# Altium PCB DRS4-PCB.PcbDoc (part 11 of 15)
Units mil, origin at the board's own origin, x right, y up, seen from the top; angles counter-clockwise.
Board outline 12350 x 7411.06 mil, 12 copper layers (Top Layer, Ground Layer 2, Signal Layer 3, Signal Layer 4, Ground Layer 5, Power Layer 6, Ground Layer 7, Ground Layer 8, Power Layer 9, Power Layer 10, Ground Layer 11, Bottom Layer), stack 61.6 mil thick; 1264 components, 1069 nets, 3958 pads, 2329 vias.
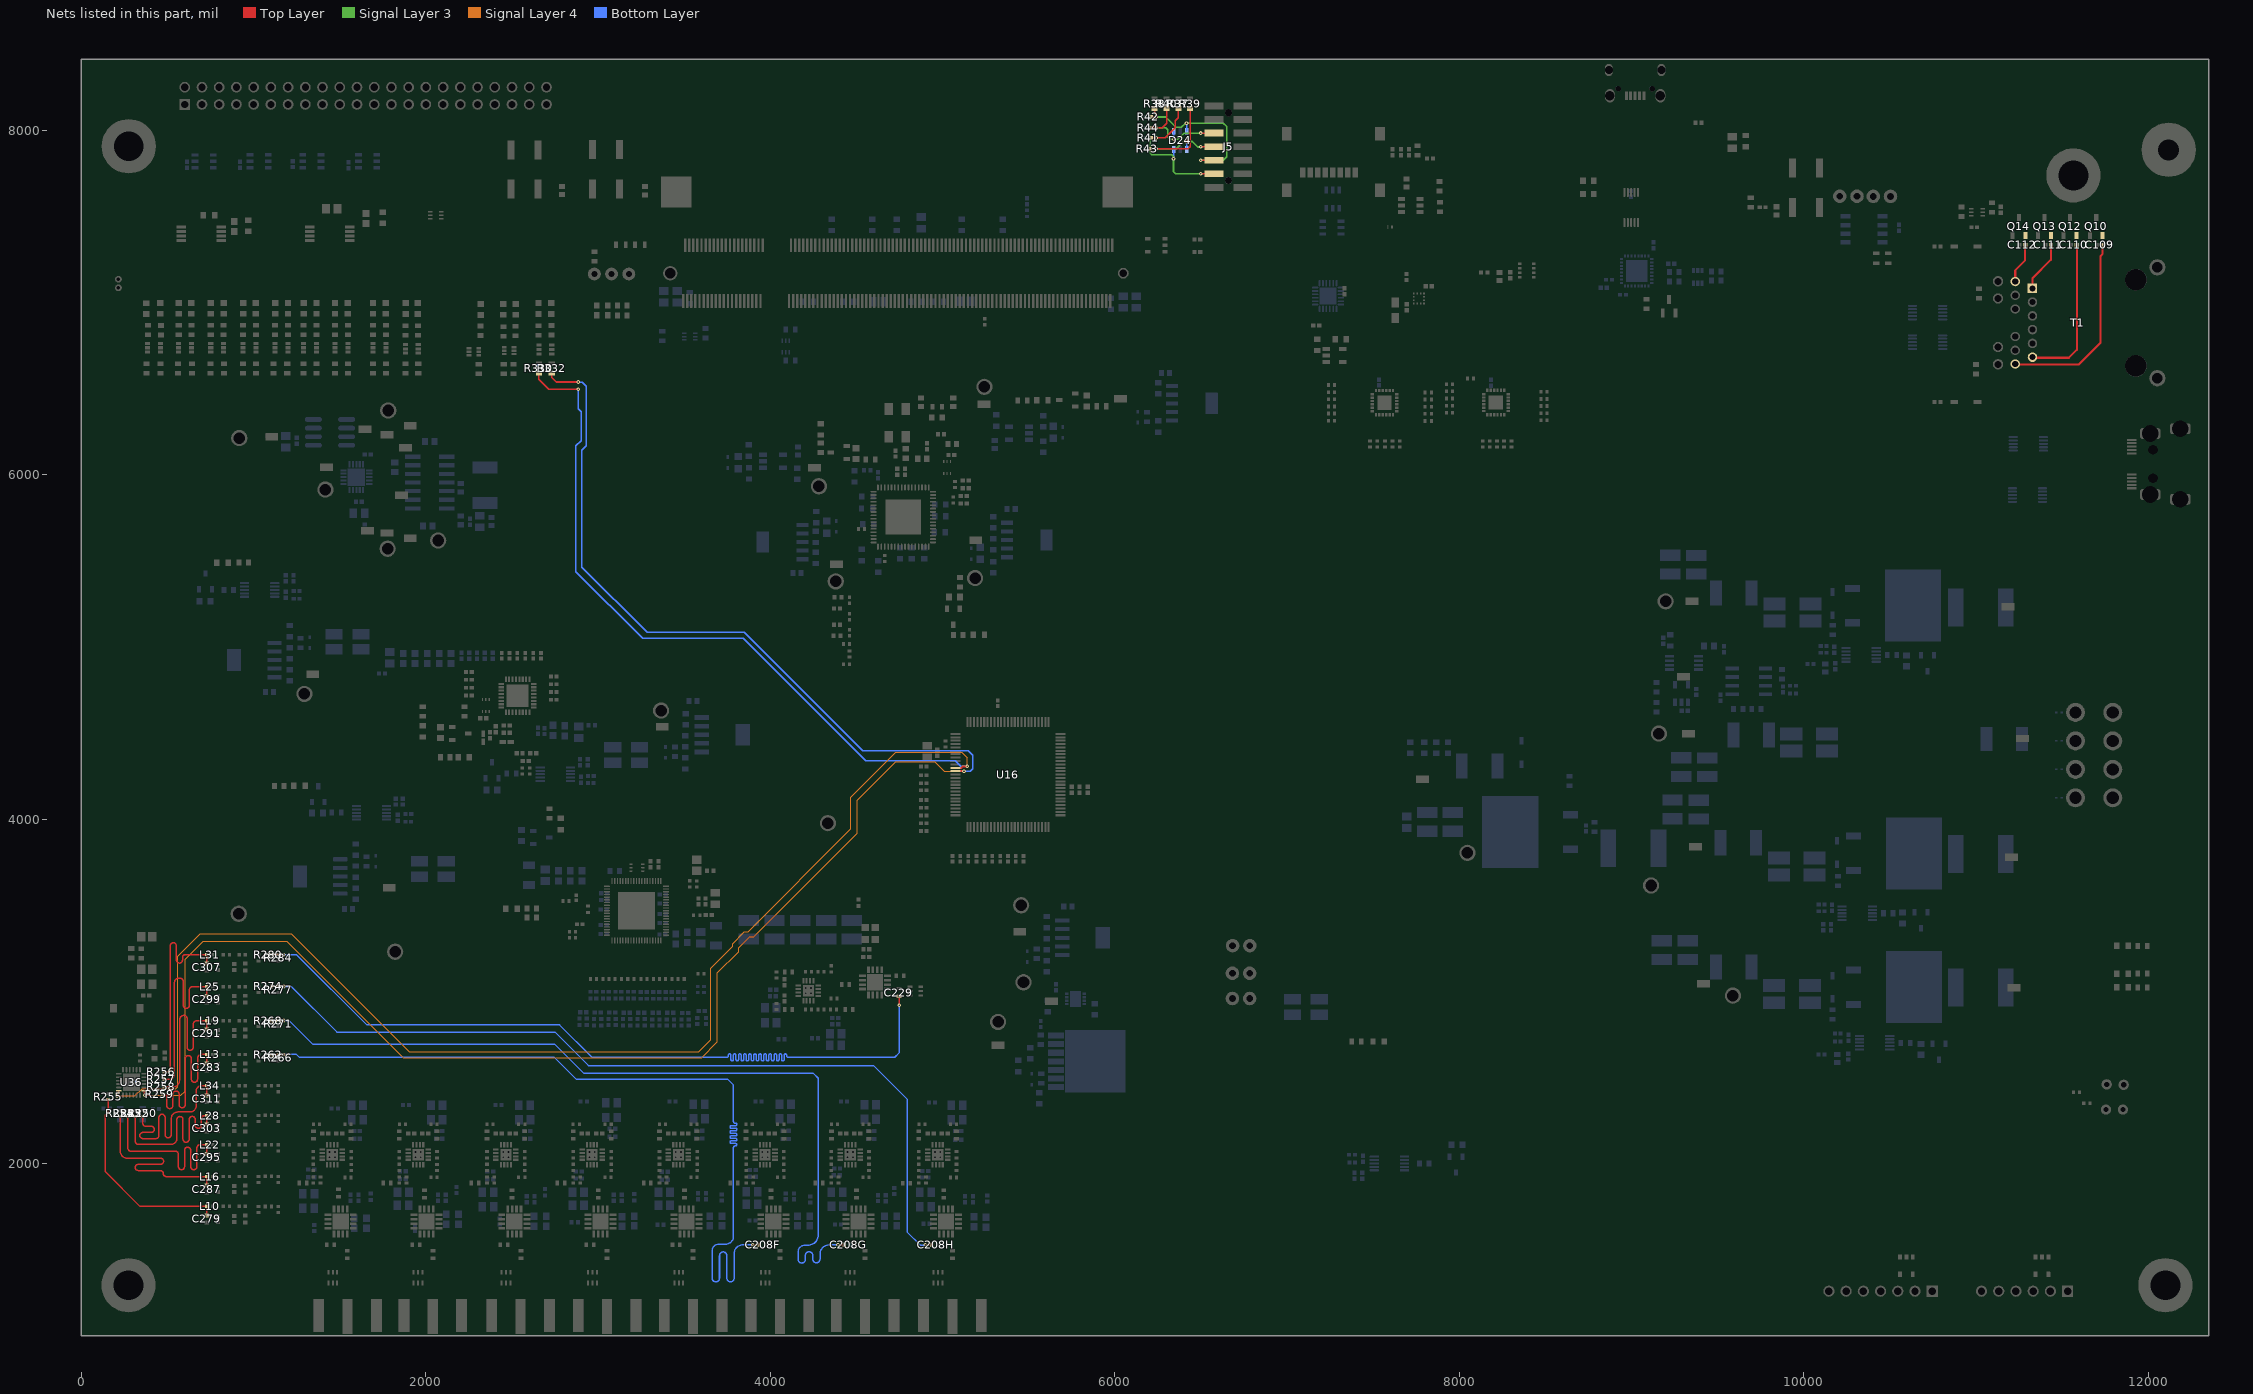
[diagram p21: the nets of this part, all layers, seen from the top]

## Via types
v1: diameter 21.65, hole 10, Top Layer to Bottom Layer, 2294 vias
v2: diameter 25, hole 15, Top Layer to Bottom Layer, 16 vias
v3: diameter 19, hole 8, Top Layer to Bottom Layer, 12 vias
v4: diameter 40, hole 28, Top Layer to Bottom Layer, 3 vias
v5: diameter 30, hole 20, Top Layer to Bottom Layer, 2 vias
v6: diameter 27.56, hole 10, Top Layer to Bottom Layer, 1 vias
v7: diameter 18, hole 10, Top Layer to Bottom Layer, 1 vias

## Nets (pads, with @x,y where several pads share a name; then routed paths per layer and width w, separated by ;. In a path a pad name is that pad's centre, name@x,y a point inside that pad or via, vN(x,y) a via of type N, cw(c..) or ccw(c..) an arc to the next point about the centre after c; other vN are vias at no path point) (continued)
TC_5: C208F.2 R262.2 R266.2 | length 5037.5
  Top Layer w8.72: R262.2@1102.78,2632.42 R266.2@1142.58,2632.42 v1(1175.1,2632.42)
  Top Layer w9.5: v1(3897.6,1529.48) C208F.2@3933.82,1529.48
  Bottom Layer w8.72: v1@1177.58,2636.51 1246.52,2636.51 1266.38,2616.65 2746.27,2616.65 2873.69,2489.23 3753.83,2489.23 3785.67,2457.39 3785.67,2427.99 3785.67,2248.64 3785.67,2244.28 ccw(c3794.39,2244.28) 3794.39,2235.56 3798.31,2235.56 cw(c3798.31,2228.2) 3798.31,2220.84 3773.03,2220.84 ccw(c3773.03,2213.48) 3773.03,2206.12 3798.31,2206.12 cw(c3798.31,2198.76) 3798.31,2191.4 3773.03,2191.4 ccw(c3773.03,2184.04) 3773.03,2176.68 3798.31,2176.68 cw(c3798.31,2169.32) 3798.31,2161.96 3773.03,2161.96 ccw(c3773.03,2154.6) 3773.03,2147.24 3798.31,2147.24 cw(c3798.31,2139.88) 3798.31,2132.52 3773.03,2132.52 ccw(c3773.03,2125.16) 3773.03,2117.8 3797.29,2117.8 cw(c3797.29,2110.44) 3797.29,2103.08 3794.39,2103.08 ccw(c3794.39,2094.36) 3785.67,2094.36 3785.67,2071.44 3785.67,1953.64 3785.67,1578.51 cw(c3739.77,1578.51) 3739.77,1532.61 3699.88,1532.61 ccw(c3699.88,1494.71) 3661.98,1494.71 3661.98,1335.3 ccw(c3683.26,1335.3) 3683.26,1314.02 ccw(c3683.26,1335.3) 3704.54,1335.3 3704.54,1466.43 cw(c3725.81,1466.43) 3725.81,1487.71 cw(c3725.81,1466.43) 3747.09,1466.43 3747.09,1335.3 ccw(c3768.37,1335.3) 3768.37,1314.02 ccw(c3768.37,1335.3) 3789.65,1335.3 3789.65,1478.88 cw(c3840.25,1478.88) 3840.25,1529.48 v1(3897.6,1529.48)
TC_6: C208G.2 R268.2 R271.2 | length 4885.6
  Top Layer w8.72: R268.2@1102.78,2830.84 1175.06,2830.84 v1(1175.1,2830.88) ; v1(4392.13,1529.5) 4429.86,1529.5 C208G.2@4429.92,1529.45
  Bottom Layer w8.72: v1(1175.1,2830.88) 1205.79,2830.88 1341.9,2694.77 2746.33,2694.77 2917.21,2523.89 4249.68,2523.89 4277.86,2495.71 4277.86,1586.15 cw(c4218.27,1586.15) 4218.27,1526.56 4199.17,1526.56 ccw(c4199.17,1488.66) 4161.27,1488.66 4161.27,1444.78 ; 4160.5,1443.99 ccw(c4181.77,1444.59) 4181.77,1423.31 ccw(c4181.77,1444.59) 4203.05,1444.59 4203.05,1467.78 cw(c4224.33,1467.78) 4224.33,1489.06 cw(c4224.33,1467.78) 4245.6,1467.78 4245.6,1446.51 ccw(c4266.88,1446.51) 4266.88,1425.23 ccw(c4266.88,1446.51) 4288.16,1446.51 4288.16,1474.75 cw(c4343.44,1474.75) 4343.44,1530.03 ; 4343.44,1529.5 v1(4392.13,1529.5)
TC_7: C208H.2 R274.2 R277.2 | length 4904.5
  Top Layer w8.72: R274.2@1102.78,3028.87 R277.2@1142.58,3028.87 v1(1175.1,3028.87)
  Top Layer w9.5: v1(4899.53,1529.5) C208H.2@4935.73,1529.5
  Bottom Layer w8.72: v1@1177.35,3026.62 1221.32,3026.62 1483.63,2764.31 2748.8,2764.31 2943.62,2569.49 4599.09,2569.49 4793.11,2375.47 4793.11,1604.13 4869.94,1527.3 4897.33,1527.3 v1(4899.53,1529.5)
TC_8: C229.2 R280.2 R284.2 | length 4998
  Top Layer w8.72: R280.2@1102.78,3213.52 R284.2@1142.58,3213.52 v1(1175.1,3213.52) ; C229.2@4745.8,2971.05 4747.36,2969.49 v1(4747.36,2919.61)
  Bottom Layer w8.72: v1(1175.1,3213.52) 1249.46,3213.52 1657.55,2805.43 2775.92,2805.43 2963.92,2617.43 3742.95,2617.43 3747.31,2617.43 ccw(c3747.31,2626.15) 3756.03,2626.15 3756.03,2630.07 cw(c3763.39,2630.07) 3770.75,2630.07 3770.75,2604.79 ccw(c3778.11,2604.79) 3785.47,2604.79 3785.47,2630.07 cw(c3792.83,2630.07) 3800.19,2630.07 3800.19,2604.79 ccw(c3807.55,2604.79) 3814.91,2604.79 3814.91,2630.07 cw(c3822.27,2630.07) 3829.63,2630.07 3829.63,2604.79 ccw(c3836.99,2604.79) 3844.35,2604.79 3844.35,2630.07 cw(c3851.71,2630.07) 3859.07,2630.07 3859.07,2604.79 ccw(c3866.43,2604.79) 3873.79,2604.79 3873.79,2630.07 cw(c3881.15,2630.07) 3888.51,2630.07 3888.51,2604.79 ccw(c3895.87,2604.79) 3903.23,2604.79 3903.23,2630.07 cw(c3910.59,2630.07) 3917.95,2630.07 3917.95,2604.79 ccw(c3925.31,2604.79) 3932.67,2604.79 3932.67,2630.07 cw(c3940.03,2630.07) 3947.39,2630.07 3947.39,2604.79 ccw(c3954.75,2604.79) 3962.11,2604.79 3962.11,2630.07 cw(c3969.47,2630.07) 3976.83,2630.07 3976.83,2604.79 ccw(c3984.19,2604.79) 3991.55,2604.79 3991.55,2630.07 cw(c3998.91,2630.07) 4006.27,2630.07 4006.27,2604.79 ccw(c4013.63,2604.79) 4020.99,2604.79 4020.99,2630.07 cw(c4028.35,2630.07) 4035.71,2630.07 4035.71,2604.79 ccw(c4043.07,2604.79) 4050.43,2604.79 4050.43,2630.07 cw(c4057.79,2630.07) 4065.15,2630.07 4065.15,2604.79 ccw(c4072.51,2604.79) 4079.87,2604.79 4079.87,2630.01 cw(c4087.23,2630.01) 4094.59,2630.01 4094.59,2626.15 ccw(c4103.31,2626.15) 4103.31,2617.43 4127.15,2617.43 4722.02,2617.43 4747.36,2642.77 v1(4747.36,2919.61)
TCA_CLK0: C279.2 L10.1 R255.2 | length 1150.6
  Top Layer w8.72: R255.2@154.77,2372.39 154.77,2300.9 139.22,2285.35 139.22,1952.82 339.74,1752.3 L10.1@728.01,1752.28 C279.2@728.01,1699.54
TCA_CLK1: C287.2 L16.1 R254.2 | length 1169.4
  Top Layer w8.72: R254.2@226.37,2274.72 226.37,2070.24 ccw(c264.52,2070.24) 264.52,2032.09 459.22,2032.09 cw(c459.22,2014.22) 477.09,2014.22 cw(c459.22,2014.22) 459.22,1996.36 ; 457.75,1996.16 330.23,1996.16 ccw(c330.23,1978.29) 312.36,1978.29 ccw(c330.23,1978.29) 330.23,1960.42 457.82,1960.42 cw(c457.82,1942.56) 475.69,1942.56 ccw(c492.8,1942.56) 492.8,1925.45 L16.1@728.01,1925.43 C287.2@728.01,1872.69
TCA_CLK2: C295.2 L22.1 R253.2 | length 1158
  Top Layer w8.72: 269.84,2090.26 R253.2@269.84,2274.72 ; 270,2089.76 ccw(c287.14,2089.76) 287.14,2072.61 545.24,2072.61 cw(c545.24,2054.75) 563.11,2054.75 563.11,1983.3 ; 563.11,1982.64 563.11,1983.3 ; 598.84,1982.64 598.84,2078.09 cw(c616.71,2078.09) 616.71,2095.96 cw(c616.71,2078.09) 634.58,2078.09 ; 598.84,1983.3 cw(c580.97,1983.3) 580.97,1965.43 cw(c580.97,1983.3) 563.11,1983.3 ; 634.73,1982.64 634.73,2077.21 ; 634.74,1982.92 ccw(c652.61,1982.92) 652.61,1965.05 ccw(c652.61,1982.92) 670.47,1982.92 ; 670.46,1982.64 670.46,2091.86 cw(c688.61,2091.86) 688.61,2110 L22.1@728.01,2110 C295.2@728.01,2057.22
TCA_CLK3: C303.2 L28.1 R252.2 | length 1144.7
  Top Layer w8.72: R252.2@313.32,2274.72 313.32,2129.39 ccw(c331.17,2129.38) 331.17,2111.53 519.38,2111.53 ccw(c519.38,2146.31) 554.17,2146.31 554.17,2256.34 cw(c572.04,2256.34) 572.04,2274.21 cw(c572.04,2256.34) 589.91,2256.34 589.91,2142.62 ccw(c607.77,2142.62) 607.77,2124.75 ccw(c607.77,2142.62) 625.64,2142.62 625.64,2256.65 cw(c643.51,2256.65) 643.51,2274.51 cw(c643.51,2256.65) 661.37,2256.65 ; 661.09,2256.65 661.09,2223.14 ccw(c678.96,2223.14) 678.96,2205.27 ccw(c678.96,2223.14) 696.82,2223.14 696.83,2261.37 cw(c715.23,2261.37) 715.23,2279.78 L28.1@728.01,2279.76 ; C303.2@727.98,2226.99 L28.1@728.01,2279.76
TCA_CLK4: C311.2 L34.1 R250.2 | length 1179.6
  Top Layer w8.72: 339,2163.67 ccw(c356.87,2163.67) 356.87,2145.8 432.14,2145.8 ccw(c432.14,2163.67) 450,2163.66 450,2269 cw(c467.87,2269) 467.87,2286.87 ; 339.14,2163.67 cw(c357,2163.66) 356.87,2181.53 405.51,2181.53 ccw(c405.37,2199.4) 423.24,2199.4 ; R250.2@356.79,2274.72 356.79,2233.54 ccw(c373.07,2233.54) 373.07,2217.26 405.51,2217.26 cw(c405.51,2199.4) 423.37,2199.4 ; 467.87,2286.74 cw(c467.87,2268.87) 485.74,2269 485.74,2168.54 ccw(c503.61,2168.67) 503.6,2150.81 ; 503.6,2150.67 ccw(c503.6,2168.54) 521.47,2168.54 521.47,2261.02 cw(c560.73,2261.02) 560.73,2300.28 631.34,2300.28 ccw(c631.34,2335.16) 666.23,2335.16 666.23,2421.98 cw(c697.25,2421.98) 697.25,2453.01 L34.1@728.01,2452.99 C311.2@728.01,2400.24
TCA_CLK5: C283.2 L13.1 R259.2 | length 1119.6
  Top Layer w8.72: R259.2@472.83,2402.79 485.31,2402.79 cw(c485.31,2392.48) 495.62,2392.48 495.62,2337.37 ccw(c513.48,2337.5) 513.48,2319.63 ; 513.48,2319.5 ccw(c513.48,2337.37) 531.35,2337.37 ; 531.35,2336.3 531.35,2404.13 cw(c549.22,2404.13) 549.22,2422 ; 549.22,2421.86 cw(c549.22,2404) 567.08,2404.13 567.08,2342.89 ccw(c584.95,2343.02) 584.95,2325.16 ; 584.95,2325.02 ccw(c584.95,2342.89) 602.82,2342.89 602.82,2610.19 cw(c620.68,2610.19) 620.68,2628.06 ; 620.68,2627.93 cw(c620.68,2610.06) 638.55,2610.06 638.55,2490.69 ; 656.42,2472.69 ccw(c656.42,2490.56) 674.28,2490.56 674.28,2609.93 cw(c698.46,2609.93) 698.46,2634.11 L13.1@728.01,2634.09 C283.2@728.01,2581.35 ; 656.42,2472.82 cw(c656.42,2490.69) 638.55,2490.56 ; 638.55,2490.56 cw(c656.42,2490.69) 638.55,2490.69 ; 638.55,2490.56 638.55,2490.69
TCA_CLK6: C291.2 L19.1 R258.2 | length 1029.4
  Top Layer w8.72: R258.2@480.92,2446.31 532.35,2446.31 ccw(c532.35,2483.96) 570,2483.96 570,2835.37 cw(c595.57,2835.37) 595.57,2860.93 cw(c595.57,2842.94) 595.7,2860.93 cw(c595.57,2842.94) 613.57,2842.94 613.57,2676.34 ccw(c631.43,2676.34) 631.43,2658.48 ccw(c631.43,2676.34) 649.3,2676.34 649.3,2808.12 cw(c672.13,2808.12) 672.13,2830.96 728.01,2830.96 C291.2@728.01,2778.2
TCA_CLK7: C299.2 L25.1 R257.2 | length 1133
  Top Layer w8.72: R257.2@480.92,2489.79 511.38,2489.79 ccw(c511.38,2518.83) 540.42,2518.83 540.42,3054.21 cw(c562.55,3054.21) 562.55,3076.34 573.59,3076.34 cw(c573.59,3058.48) 591.46,3058.48 591.46,2920.31 ccw(c609.32,2920.31) 609.32,2902.44 ccw(c609.32,2920.31) 627.19,2920.31 627.19,3009.91 cw(c645.09,3009.91) 645.09,3027.81 L25.1@728.01,3027.8 C299.2@728.01,2975.05
TCA_CLK8: C307.2 L31.1 R256.2 | length 1174.3
  Top Layer w8.72: R256.2@480.92,2533.26 504.58,2533.26 ccw(c504.58,2544.35) 515.66,2544.35 515.66,3265.2 cw(c533.53,3265.2) 533.53,3283.06 ; 533.53,3282.93 cw(c533.53,3265.06) 551.4,3265.06 551.4,3182.82 ccw(c569.26,3182.82) 569.26,3164.96 ; 569.26,3164.83 ccw(c569.26,3182.69) 587.13,3182.69 587.13,3197.46 cw(c603.67,3197.46) 603.67,3214 L31.1@728.01,3214.02 C307.2@728.01,3161.24
TCA_CLK_0T05_EN: R332.1 U16.37 U36.1 | length 11191.9
  Top Layer w7.87: U36.1@364.72,2423.09 364.72,2412.9 368.01,2409.61 v1(368.01,2396.66)
  Top Layer w10: R332.1@2730.47,6589.45 2730.47,6564.52 2756.93,6538.06 v1(2884.33,6538.06)
  Top Layer w11.81: U16.37@5074.09,4278.81 v1(5123.7,4278.81)
  Signal Layer 4 w6.12: v1(368.01,2396.66) 576.9,2396.66 601.57,2421.33 601.57,3186.27 707.42,3292.11 1192.98,3292.11 1869.92,2615.18 3600.3,2615.18 3692.44,2707.32 3692.44,3108.09 3816.06,3231.7 3816.06,3254.92 3879.01,3317.87 3904.05,3317.87 4504.46,3918.28 4504.46,4109.37 4728.63,4333.54 4953.49,4333.54 5008.21,4278.81 5024.4,4278.81 v1(5123.7,4278.81)
  Bottom Layer w7.87: v1(2884.33,6538.06) 2906.52,6538.06 2931.67,6512.91 2931.67,6167.04 2906.2,6141.57 2906.2,5463.11 3284.21,5085.09 3848.91,5085.09 4537.19,4396.81 5150.04,4396.81 5175.35,4371.5 5175.35,4293.94 5160.23,4278.81 v1(5123.7,4278.81)
TCA_CLK_6T08_EN: R330.2 U16.36 U36.18 | length 11409.4
  Top Layer w7.87: v1@209.4,2394.32 209.4,2406.73 217.08,2414.41 U36.18@217.08,2423.09
  Top Layer w8.72: v1(208.33,2393.25) v1@209.4,2394.32
  Top Layer w10: R330.2@2655.67,6589.45 2655.67,6554.14 2713.11,6496.69 v1(2884.33,6496.69)
  Top Layer w11.81: U16.36@5074.09,4298.5 5108.64,4298.5 5117.2,4307.07 v1(5142.52,4307.07)
  Signal Layer 4 w6.12: v1(208.33,2393.25) 310.51,2393.25 353.46,2436.2 548.35,2436.2 558.86,2446.72 558.86,3204.98 689.88,3335.99 1217.35,3335.99 1904.46,2648.89 3583.66,2648.89 3654.79,2720.01 3654.79,3135.33 3780.66,3261.21 3780.66,3277.91 3849.22,3346.47 3870.52,3346.47 4467.24,3943.18 4467.24,4127.64 4728.3,4388.7 5111.19,4388.7 5142.52,4357.36 v1(5142.52,4307.07)
  Bottom Layer w7.87: v1(2884.33,6496.69) 2884.33,6382.16 2900.82,6365.67 2900.82,6196.49 2871.42,6167.09 2871.42,5437.27 3259.34,5049.35 3842.74,5049.35 4552.75,4339.33 5072.24,4339.33 5104.51,4307.07 v1(5142.52,4307.07)
TCK: D24.6 J5.9 R38.1 R42.2 | length 995.1
  Top Layer w7.87: R42.2@6211.17,8077.09 v1(6240.58,8077.09) 6240.58,8094.54 6230.98,8104.14 6230.98,8125.33 R38.1@6230.52,8125.79 ; v1(6498.73,7825.56) J5.9@6575.46,7825.56
  Signal Layer 3 w9.8: v1(6240.58,8077.09) 6293.76,8077.09 6354.27,8016.58 6385.22,8016.58 6409.39,8040.75 6414.89,8040.75 6629.74,8040.75 6649.36,8021.13 6649.36,7846.45 6628.46,7825.56 v1(6498.73,7825.56)
  Bottom Layer w7.87: D24.6@6416.18,7993.47 v1@6416.18,8043.65
  other v1: 6416.22,8040.75
TD0: C109.2 Q10.2 T1.12 | length 1118.6
  Top Layer w11.81: T1.12@11229.59,6639.61 11596.64,6639.61 11722.02,6764.99 11722.02,7269.01 11734.66,7281.64 C109.2@11734.66,7333.97
TD1: C110.2 Q12.2 T1.6 | length 886.9
  Top Layer w11.81: T1.6@11325.73,6678.85 11538.62,6678.85 11584.27,6724.5 C110.2@11584.27,7333.97
TD2: C111.2 Q13.2 T1.1 | length 296.5
  Top Layer w11.81: T1.1@11326.83,7081.8 11326.83,7140.04 11433.87,7247.08 C111.2@11433.87,7333.97
TD3: C112.2 Q14.2 T1.7 | length 236.4
  Top Layer w11.81: T1.7@11226.83,7121.56 11226.83,7186.58 11284.66,7244.41 C112.2@11284.66,7333.97
TDI: D24.4 J5.5 R40.1 R44.2 | length 631.6
  Top Layer w7.87: R44.2@6211.17,8013.86 v1(6240.58,8013.86) 6273.46,8013.86 6299.75,8040.15 R40.1@6299.75,8125.79 ; v1(6498.73,7983.04) J5.5@6575.46,7983.04
  Signal Layer 3 w9.8: v1(6240.58,8013.86) 6294.29,8013.86 6306.24,8001.91 6306.24,7962.12 6320.96,7947.4 v1(6341.42,7947.4) 6365.12,7947.4 6400.76,7983.04 v1(6498.73,7983.04)
  Bottom Layer w7.87: v1(6341.42,7947.4) D24.4@6341.42,7993.41
TDO: D24.1 J5.7 R39.1 R43.2 | length 868.9
  Top Layer w7.87: R43.2@6206.74,7892.41 v1(6240.58,7892.41) 6423.97,7892.41 6436.42,7904.87 R39.1@6436.42,8125.79 ; v1(6498.73,7904.3) J5.7@6575.46,7904.3
  Signal Layer 3 w9.8: v1(6240.58,7892.41) 6356.85,7892.41 6398.63,7934.19 v1(6416.22,7934.19) 6449.26,7934.19 6480.97,7902.48 6496.91,7902.48 v1(6498.73,7904.3)
  Bottom Layer w7.87: D24.1@6416.22,7887.11 v1(6416.22,7934.19)
TMS: D24.3 J5.11 R37.1 R41.2 | length 929.3
  Top Layer w7.87: R41.2@6210.5,7955.09 v1(6240.58,7955.09) 6292.85,7955.09 6350.97,8013.21 6350.97,8054.45 6368.09,8071.57 R37.1@6368.09,8125.79 ; v1(6498.73,7747.02) 6575.26,7747.02 J5.11@6575.46,7746.82
  Signal Layer 3 w9.8: v1(6240.58,7955.09) 6210.5,7955.09 6204.82,7949.41 6204.82,7868.03 6214.89,7857.97 6329.25,7857.97 6340.49,7846.72 6340.49,7759.42 6352.9,7747.02 v1(6498.73,7747.02)
  Bottom Layer w7.87: v1(6340.49,7833.85) 6340.96,7834.32 6340.96,7886.65 D24.3@6341.43,7887.11